# KiCad board panel.kicad_pcb (continued)
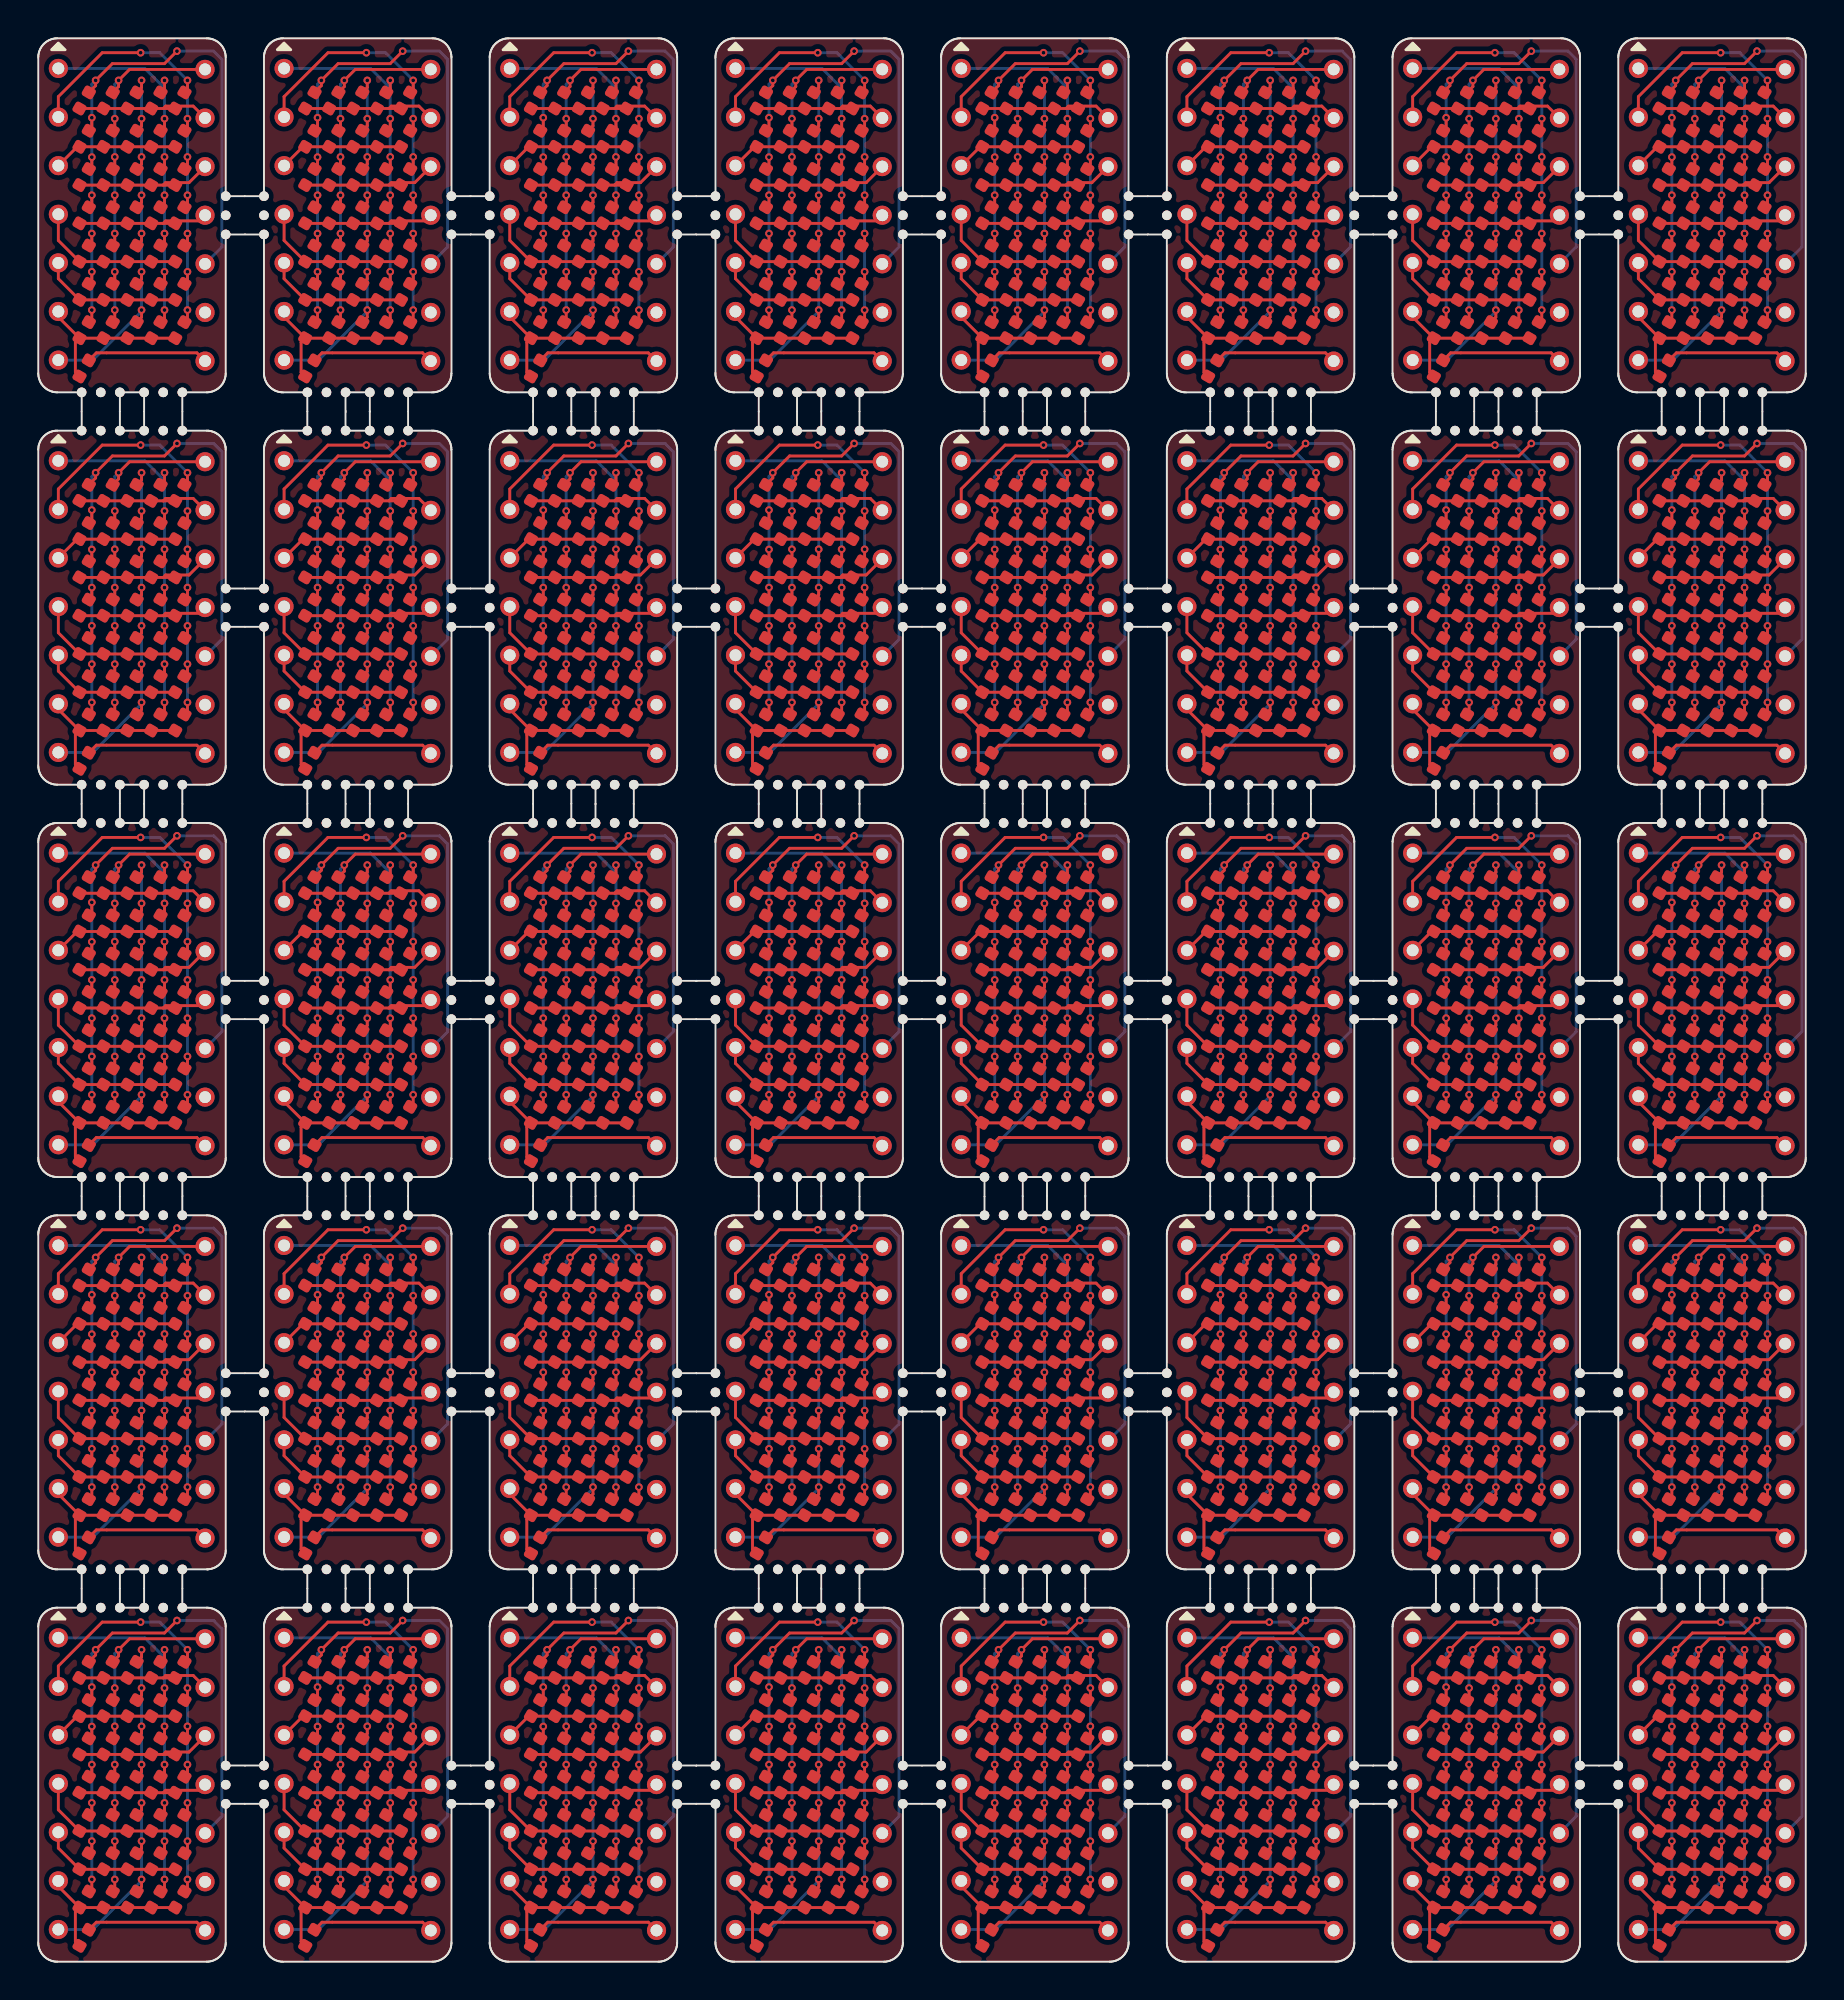
[diagram p0: board, top side]
## Routing (per net, layer and track width the routed paths; a pad name or vN(x,y) marks a point on that pad's centre or on a via; arc(x,y) is an arc through that point) (continued)
Board_32-C2: length 21.6
  Top w0.15: D12#38.2 4,9.78 v1(4,10.3) ; v1(4,4.3) 4,3.78 D15#22.2 ; v1(4,14.3) 4,13.78 D10#2.2 ; v1(4,12.3) 4,11.78 D11#8.2 ; v1(4,6.3) 4,5.78 D14#17.2 ; D9#18.2 4.2,15.98 v1(4.2,16.3) 4.77,16.87 8.72,16.87 J2#17.1 ; D13#12.2 4,7.78 v1(4,8.3)
  Bottom w0.15: v1(4,4.3) v1(4,6.3) v1(4,8.3) v1(4,10.3) v1(4,12.3) v1(4,14.3) 4,16.1 v1(4.2,16.3)
Board_32-C3: length 22.6
  Top w0.15: v1(5.4,16.3) 5.4,15.93 D16#20.2 ; D20#4.2 5.4,7.93 v1(5.4,8.3) ; v1(5.4,14.3) 5.4,13.93 D17#37.2 ; D21#11.2 5.4,5.93 v1(5.4,6.3) ; v1(5.4,10.3) 5.4,9.93 D19#19.2 ; v1(5.4,4.3) 5.4,3.93 D22#15.2 ; D18#28.2 5.4,11.93 v1(5.4,12.3)
  Bottom w0.15: J1#25.7 2.85,1.69 5.4,4.23 v1(5.4,4.3) v1(5.4,6.3) v1(5.4,8.3) v1(5.4,10.3) v1(5.4,12.3) v1(5.4,14.3) v1(5.4,16.3)
Board_32-C4: length 23
  Top w0.15: v1(6.6,4.3) 6.6,3.88 D29#37.2 ; D24#26.2 6.6,13.88 v1(6.6,14.3) ; v1(6.6,8.3) 6.6,7.88 D27#18.2 ; D28#28.2 6.6,5.88 v1(6.6,6.3) ; v1(6.6,10.3) 6.6,9.88 D26#30.2 ; D25#22.2 6.6,11.88 v1(6.6,12.3) ; D23#3.2 6.6,15.88 v1(6.6,16.3)
  Bottom w0.15: 6.6,15.89 5.57,16.92 J1#25.1 ; 6.6,15.89 v1(6.6,16.3) ; 6.6,15.89 v1(6.6,14.3) v1(6.6,12.3) v1(6.6,10.3) v1(6.6,8.3) v1(6.6,6.3) v1(6.6,4.3)
Board_32-C5: length 26.2
  Top w0.15: D36#21.2 7.8,3.83 v1(7.8,4.3) ; v1(5.35,17.75) 3.34,17.75 1.05,15.45 J1#25.2 ; D32#38.2 7.8,11.83 v1(7.8,12.3) ; D30#2.2 7.8,15.83 v1(7.8,16.3) ; D34#5.2 7.8,7.83 v1(7.8,8.3) ; D35#37.2 7.8,5.83 v1(7.8,6.3) ; D33#2.2 7.8,9.83 v1(7.8,10.3) ; v1(7.8,14.3) 7.8,13.83 D31#19.2
  Bottom w0.15: v1(7.8,4.3) v1(7.8,6.3) v1(7.8,8.3) v1(7.8,10.3) v1(7.8,12.3) v1(7.8,14.3) v1(7.8,16.3) 6.36,17.75 v1(5.35,17.75)
Board_32-DP: length 6.4
  Top w0.15: D8#18.2 3.04,2.06 8.29,2.06 J2#17.7
Board_32-R1: length 7.5
  Top w0.15: 6.53,14.83 D23#3.1 D16#20.1 D9#18.1 D1#37.1 ; 6.53,14.83 6.66,14.96 8.1,14.96 J2#17.2 ; 6.53,14.83 D30#2.1
Board_32-R2: length 6.5
  Top w0.15: J1#25.3 2.03,12.83 D2#12.1 D10#2.1 D17#37.1 D24#26.1 D31#19.1
Board_32-R3: length 7.6
  Top w0.15: 6.53,10.83 6.66,10.96 7.88,10.96 J2#17.3 ; 6.53,10.83 D32#38.1 ; 6.53,10.83 D25#22.1 D18#28.1 D11#8.1 D3#30.1
Board_32-R4: length 7.4
  Top w0.15: D4#8.1 D12#38.1 D19#19.1 D26#30.1 6.53,8.83 ; 6.53,8.83 D33#2.1 ; 6.53,8.83 6.66,8.96 8.42,8.96 J2#17.4
Board_32-R5: length 7.9
  Top w0.15: J1#25.4 1.05,7.94 D5#5.1 D13#12.1 D20#4.1 D27#18.1 D34#5.1
Board_32-R6: length 7.4
  Top w0.15: J1#25.5 1.05,5.94 D6#2.1 D14#17.1 D21#11.1 D28#28.1 D35#37.1
Board_32-R7: length 9
  Top w0.15: D36#21.1 D29#37.1 D22#15.1 D15#22.1 D7#28.1 ; J1#25.6 1.05,3.94 D7#28.1 ; D7#28.1 1.94,2.61 1.94,1.05 D8#18.1
Board_33-C1: length 35.5
  Top w0.15: D2#15.2 14.6,13.83 v1(14.6,14.35) ; D7.2 14.6,3.83 v1(14.6,4.3) ; v1(14.6,8.3) 14.6,7.83 D5#39.2 ; D3#34.2 14.6,11.83 v1(14.6,12.29) ; D4.2 14.6,9.83 v1(14.6,10.3) ; D1#3.2 14.8,16.03 v1(14.8,16.3) 15.68,17.18 18.4,17.18 v1(19.05,17.83) ; v1(14.6,6.3) 14.6,5.83 D6#29.2
  Bottom w0.15: v1(19.05,17.83) 20.97,17.83 21.4,17.4 21.4,7.59 J2#12.5 ; v1(14.8,16.3) 14.6,16.1 v1(14.6,14.35) v1(14.6,12.29) v1(14.6,10.3) v1(14.6,8.3) v1(14.6,6.3) v1(14.6,4.3)
Board_33-C2: length 21.6
  Top w0.15: v1(15.8,14.3) 15.8,13.78 D10#29.2 ; v1(15.8,6.3) 15.8,5.78 D14#18.2 ; J2#12.1 20.52,16.87 16.57,16.87 v1(16,16.3) 16,15.98 D9#25.2 ; v1(15.8,12.3) 15.8,11.78 D11#21.2 ; D13#35.2 15.8,7.78 v1(15.8,8.3) ; D12#36.2 15.8,9.78 v1(15.8,10.3) ; D15#25.2 15.8,3.78 v1(15.8,4.3)
  Bottom w0.15: v1(15.8,4.3) v1(15.8,6.3) v1(15.8,8.3) v1(15.8,10.3) v1(15.8,12.3) v1(15.8,14.3) 15.8,16.1 v1(16,16.3)
Board_33-C3: length 22.6
  Top w0.15: D19#2.2 17.2,9.93 v1(17.2,10.3) ; D20#18.2 17.2,7.93 v1(17.2,8.3) ; D21#9.2 17.2,5.93 v1(17.2,6.3) ; v1(17.2,12.3) 17.2,11.93 D18#19.2 ; v1(17.2,16.3) 17.2,15.93 D16#30.2 ; v1(17.2,4.3) 17.2,3.93 D22#17.2 ; v1(17.2,14.3) 17.2,13.93 D17#27.2
  Bottom w0.15: v1(17.2,16.3) v1(17.2,14.3) v1(17.2,12.3) v1(17.2,10.3) v1(17.2,8.3) v1(17.2,6.3) v1(17.2,4.3) 17.2,4.23 14.65,1.69 J1#9.7
Board_33-C4: length 23
  Top w0.15: D24#10.2 18.4,13.88 v1(18.4,14.3) ; D29#8.2 18.4,3.88 v1(18.4,4.3) ; D23#5.2 18.4,15.88 v1(18.4,16.3) ; v1(18.4,6.3) 18.4,5.88 D28#18.2 ; v1(18.4,10.3) 18.4,9.88 D26#19.2 ; v1(18.4,8.3) 18.4,7.88 D27#15.2 ; D25#38.2 18.4,11.88 v1(18.4,12.3)
  Bottom w0.15: J1#9.1 17.37,16.92 18.4,15.89 ; 18.4,15.89 v1(18.4,14.3) v1(18.4,12.3) v1(18.4,10.3) v1(18.4,8.3) v1(18.4,6.3) v1(18.4,4.3) ; 18.4,15.89 v1(18.4,16.3)
Board_33-C5: length 26.2
  Top w0.15: D36#14.2 19.6,3.83 v1(19.6,4.3) ; J1#9.2 12.85,15.45 15.14,17.75 v1(17.15,17.75) ; v1(19.6,16.3) 19.6,15.83 D30#6.2 ; v1(19.6,6.3) 19.6,5.83 D35#23.2 ; D34#11.2 19.6,7.83 v1(19.6,8.3) ; D31#37.2 19.6,13.83 v1(19.6,14.3) ; D32#23.2 19.6,11.83 v1(19.6,12.3) ; v1(19.6,10.3) 19.6,9.83 D33#27.2
  Bottom w0.15: v1(19.6,4.3) v1(19.6,6.3) v1(19.6,8.3) v1(19.6,10.3) v1(19.6,12.3) v1(19.6,14.3) v1(19.6,16.3) 18.16,17.75 v1(17.15,17.75)
Board_33-DP: length 6.4
  Top w0.15: D8#27.2 14.84,2.06 20.09,2.06 J2#12.7
Board_33-R1: length 7.5
  Top w0.15: D1#3.1 D9#25.1 D16#30.1 D23#5.1 18.33,14.83 ; J2#12.2 19.9,14.96 18.46,14.96 18.33,14.83 ; D30#6.1 18.33,14.83
Board_33-R2: length 6.5
  Top w0.15: D31#37.1 D24#10.1 D17#27.1 D10#29.1 D2#15.1 13.84,12.83 J1#9.3
Board_33-R3: length 7.6
  Top w0.15: 18.33,10.83 18.46,10.96 19.68,10.96 J2#12.3 ; 18.33,10.83 D25#38.1 D18#19.1 D11#21.1 D3#34.1 ; 18.33,10.83 D32#23.1
Board_33-R4: length 7.4
  Top w0.15: D4.1 D12#36.1 D19#2.1 D26#19.1 18.33,8.83 ; 18.33,8.83 D33#27.1 ; 18.33,8.83 18.46,8.96 20.22,8.96 J2#12.4
Board_33-R5: length 7.9
  Top w0.15: D34#11.1 D27#15.1 D20#18.1 D13#35.1 D5#39.1 12.85,7.94 J1#9.4
Board_33-R6: length 7.4
  Top w0.15: J1#9.5 12.85,5.94 D6#29.1 D14#18.1 D21#9.1 D28#18.1 D35#23.1
Board_33-R7: length 9
  Top w0.15: D7.1 D15#25.1 D22#17.1 D29#8.1 D36#14.1 ; D7.1 13.74,2.61 13.74,1.05 D8#27.1 ; D7.1 12.85,3.94 J1#9.6
Board_34-C1: length 35.5
  Top w0.15: v1(26.4,4.3) 26.4,3.83 D7#5.2 ; v1(26.4,14.35) 26.4,13.83 D2#31.2 ; v1(26.4,12.29) 26.4,11.83 D3#24.2 ; v1(30.85,17.83) 30.2,17.18 27.48,17.18 v1(26.6,16.3) 26.6,16.03 D1#28.2 ; D5#37.2 26.4,7.83 v1(26.4,8.3) ; D6#20.2 26.4,5.83 v1(26.4,6.3) ; D4#33.2 26.4,9.83 v1(26.4,10.3)
  Bottom w0.15: J2#31.5 33.2,7.59 33.2,17.4 32.77,17.83 v1(30.85,17.83) ; v1(26.4,4.3) v1(26.4,6.3) v1(26.4,8.3) v1(26.4,10.3) v1(26.4,12.29) v1(26.4,14.35) 26.4,16.1 v1(26.6,16.3)
Board_34-C2: length 21.6
  Top w0.15: v1(27.6,12.3) 27.6,11.78 D11#17.2 ; J2#31.1 32.32,16.87 28.37,16.87 v1(27.8,16.3) 27.8,15.98 D9#2.2 ; v1(27.6,4.3) 27.6,3.78 D15#39.2 ; D12#8.2 27.6,9.78 v1(27.6,10.3) ; v1(27.6,8.3) 27.6,7.78 D13#20.2 ; v1(27.6,6.3) 27.6,5.78 D14#7.2 ; v1(27.6,14.3) 27.6,13.78 D10#11.2
  Bottom w0.15: v1(27.8,16.3) 27.6,16.1 v1(27.6,14.3) v1(27.6,12.3) v1(27.6,10.3) v1(27.6,8.3) v1(27.6,6.3) v1(27.6,4.3)
Board_34-C3: length 22.6
  Top w0.15: D17#40.2 29,13.93 v1(29,14.3) ; D20#10.2 29,7.93 v1(29,8.3) ; D18#37.2 29,11.93 v1(29,12.3) ; v1(29,6.3) 29,5.93 D21#31.2 ; D22#7.2 29,3.93 v1(29,4.3) ; v1(29,10.3) 29,9.93 D19#36.2 ; v1(29,16.3) 29,15.93 D16#31.2
  Bottom w0.15: v1(29,16.3) v1(29,14.3) v1(29,12.3) v1(29,10.3) v1(29,8.3) v1(29,6.3) v1(29,4.3) 29,4.23 26.45,1.69 J1#6.7
Board_34-C4: length 23
  Top w0.15: D24#28.2 30.2,13.88 v1(30.2,14.3) ; v1(30.2,12.3) 30.2,11.88 D25#30.2 ; v1(30.2,6.3) 30.2,5.88 D28#14.2 ; v1(30.2,8.3) 30.2,7.88 D27#14.2 ; D29#30.2 30.2,3.88 v1(30.2,4.3) ; v1(30.2,16.3) 30.2,15.88 D23#30.2 ; D26#29.2 30.2,9.88 v1(30.2,10.3)
  Bottom w0.15: J1#6.1 29.17,16.92 30.2,15.89 ; v1(30.2,4.3) v1(30.2,6.3) v1(30.2,8.3) v1(30.2,10.3) v1(30.2,12.3) v1(30.2,14.3) 30.2,15.89 ; 30.2,15.89 v1(30.2,16.3)
Board_34-C5: length 26.2
  Top w0.15: v1(28.95,17.75) 26.95,17.75 24.65,15.45 J1#6.2 ; D34#12.2 31.4,7.83 v1(31.4,8.3) ; v1(31.4,10.3) 31.4,9.83 D33#14.2 ; v1(31.4,4.3) 31.4,3.83 D36#33.2 ; D30#13.2 31.4,15.83 v1(31.4,16.3) ; D32#26.2 31.4,11.83 v1(31.4,12.3) ; D35#15.2 31.4,5.83 v1(31.4,6.3) ; D31#40.2 31.4,13.83 v1(31.4,14.3)
  Bottom w0.15: v1(31.4,4.3) v1(31.4,6.3) v1(31.4,8.3) v1(31.4,10.3) v1(31.4,12.3) v1(31.4,14.3) v1(31.4,16.3) 29.95,17.75 v1(28.95,17.75)
Board_34-DP: length 6.4
  Top w0.15: D8#11.2 26.64,2.06 31.89,2.06 J2#31.7
Board_34-R1: length 7.5
  Top w0.15: D1#28.1 D9#2.1 D16#31.1 D23#30.1 30.13,14.83 ; 30.13,14.83 D30#13.1 ; 30.13,14.83 30.26,14.96 31.7,14.96 J2#31.2
Board_34-R2: length 6.5
  Top w0.15: J1#6.3 25.64,12.83 D2#31.1 D10#11.1 D17#40.1 D24#28.1 D31#40.1
Board_34-R3: length 7.6
  Top w0.15: 30.13,10.83 30.26,10.96 31.48,10.96 J2#31.3 ; 30.13,10.83 D25#30.1 D18#37.1 D11#17.1 D3#24.1 ; 30.13,10.83 D32#26.1
Board_34-R4: length 7.4
  Top w0.15: J2#31.4 32.02,8.96 30.26,8.96 30.13,8.83 ; D4#33.1 D12#8.1 D19#36.1 D26#29.1 30.13,8.83 ; 30.13,8.83 D33#14.1
Board_34-R5: length 7.9
  Top w0.15: J1#6.4 24.65,7.94 D5#37.1 D13#20.1 D20#10.1 D27#14.1 D34#12.1
Board_34-R6: length 7.4
  Top w0.15: D35#15.1 D28#14.1 D21#31.1 D14#7.1 D6#20.1 24.65,5.94 J1#6.5
Board_34-R7: length 9
  Top w0.15: D7#5.1 24.65,3.94 J1#6.6 ; D7#5.1 25.54,2.61 25.54,1.05 D8#11.1 ; D7#5.1 D15#39.1 D22#7.1 D29#30.1 D36#33.1
Board_35-C1: length 35.5
  Top w0.15: D4#31.2 38.2,9.83 v1(38.2,10.3) ; v1(38.2,8.3) 38.2,7.83 D5#9.2 ; D7#4.2 38.2,3.83 v1(38.2,4.3) ; D1#20.2 38.4,16.03 v1(38.4,16.3) 39.28,17.18 42,17.18 v1(42.65,17.83) ; v1(38.2,6.3) 38.2,5.83 D6#18.2 ; D3#35.2 38.2,11.83 v1(38.2,12.29) ; v1(38.2,14.35) 38.2,13.83 D2#11.2
  Bottom w0.15: v1(38.4,16.3) 38.2,16.1 v1(38.2,14.35) v1(38.2,12.29) v1(38.2,10.3) v1(38.2,8.3) v1(38.2,6.3) v1(38.2,4.3) ; v1(42.65,17.83) 44.57,17.83 45,17.4 45,7.59 J2#6.5
Board_35-C2: length 21.6
  Top w0.15: D15#28.2 39.4,3.78 v1(39.4,4.3) ; v1(39.4,10.3) 39.4,9.78 D12#17.2 ; D13#16.2 39.4,7.78 v1(39.4,8.3) ; v1(39.4,14.3) 39.4,13.78 D10#24.2 ; D9#9.2 39.6,15.98 v1(39.6,16.3) 40.17,16.87 44.12,16.87 J2#6.1 ; D14#9.2 39.4,5.78 v1(39.4,6.3) ; v1(39.4,12.3) 39.4,11.78 D11#19.2
  Bottom w0.15: v1(39.6,16.3) 39.4,16.1 v1(39.4,14.3) v1(39.4,12.3) v1(39.4,10.3) v1(39.4,8.3) v1(39.4,6.3) v1(39.4,4.3)
Board_35-C3: length 22.6
  Top w0.15: D18#30.2 40.8,11.93 v1(40.8,12.3) ; v1(40.8,14.3) 40.8,13.93 D17#34.2 ; v1(40.8,6.3) 40.8,5.93 D21#26.2 ; v1(40.8,10.3) 40.8,9.93 D19#13.2 ; D20#19.2 40.8,7.93 v1(40.8,8.3) ; D16#23.2 40.8,15.93 v1(40.8,16.3) ; v1(40.8,4.3) 40.8,3.93 D22#30.2
  Bottom w0.15: v1(40.8,16.3) v1(40.8,14.3) v1(40.8,12.3) v1(40.8,10.3) v1(40.8,8.3) v1(40.8,6.3) v1(40.8,4.3) 40.8,4.23 38.25,1.69 J1#18.7
Board_35-C4: length 23
  Top w0.15: D24#15.2 42,13.88 v1(42,14.3) ; v1(42,4.3) 42,3.88 D29#20.2 ; D25#10.2 42,11.88 v1(42,12.3) ; v1(42,10.3) 42,9.88 D26#13.2 ; v1(42,16.3) 42,15.88 D23#4.2 ; D27#28.2 42,7.88 v1(42,8.3) ; D28#17.2 42,5.88 v1(42,6.3)
  Bottom w0.15: 42,15.89 v1(42,14.3) v1(42,12.3) v1(42,10.3) v1(42,8.3) v1(42,6.3) v1(42,4.3) ; 42,15.89 v1(42,16.3) ; 42,15.89 40.97,16.92 J1#18.1
Board_35-C5: length 26.2
  Top w0.15: v1(43.2,4.3) 43.2,3.83 D36#19.2 ; D31#23.2 43.2,13.83 v1(43.2,14.3) ; D35#21.2 43.2,5.83 v1(43.2,6.3) ; D30#26.2 43.2,15.83 v1(43.2,16.3) ; v1(43.2,10.3) 43.2,9.83 D33.2 ; v1(43.2,12.3) 43.2,11.83 D32#9.2 ; J1#18.2 36.45,15.45 38.74,17.75 v1(40.75,17.75) ; D34#23.2 43.2,7.83 v1(43.2,8.3)
  Bottom w0.15: v1(40.75,17.75) 41.76,17.75 v1(43.2,16.3) v1(43.2,14.3) v1(43.2,12.3) v1(43.2,10.3) v1(43.2,8.3) v1(43.2,6.3) v1(43.2,4.3)
Board_35-DP: length 6.4
  Top w0.15: J2#6.7 43.69,2.06 38.44,2.06 D8#32.2
Board_35-R1: length 7.5
  Top w0.15: 41.93,14.83 42.06,14.96 43.5,14.96 J2#6.2 ; 41.93,14.83 D23#4.1 D16#23.1 D9#9.1 D1#20.1 ; 41.93,14.83 D30#26.1
Board_35-R2: length 6.5
  Top w0.15: J1#18.3 37.44,12.83 D2#11.1 D10#24.1 D17#34.1 D24#15.1 D31#23.1
Board_35-R3: length 7.6
  Top w0.15: J2#6.3 43.28,10.96 42.06,10.96 41.93,10.83 ; D3#35.1 D11#19.1 D18#30.1 D25#10.1 41.93,10.83 ; D32#9.1 41.93,10.83
Board_35-R4: length 7.4
  Top w0.15: D4#31.1 D12#17.1 D19#13.1 D26#13.1 41.93,8.83 ; 41.93,8.83 42.06,8.96 43.82,8.96 J2#6.4 ; 41.93,8.83 D33.1
Board_35-R5: length 7.9
  Top w0.15: J1#18.4 36.45,7.94 D5#9.1 D13#16.1 D20#19.1 D27#28.1 D34#23.1
Board_35-R6: length 7.4
  Top w0.15: D35#21.1 D28#17.1 D21#26.1 D14#9.1 D6#18.1 36.45,5.94 J1#18.5
Board_35-R7: length 9
  Top w0.15: D7#4.1 D15#28.1 D22#30.1 D29#20.1 D36#19.1 ; D7#4.1 36.45,3.94 J1#18.6 ; D7#4.1 37.34,2.61 37.34,1.05 D8#32.1
Board_36-C1: length 35.5
  Top w0.15: v1(50,4.3) 50,3.83 D7#25.2 ; v1(50,14.35) 50,13.83 D2#16.2 ; v1(50,10.3) 50,9.83 D4#2.2 ; v1(54.45,17.83) 53.8,17.18 51.08,17.18 v1(50.2,16.3) 50.2,16.03 D1#34.2 ; v1(50,8.3) 50,7.83 D5#7.2 ; D6#7.2 50,5.83 v1(50,6.3) ; D3#39.2 50,11.83 v1(50,12.29)
  Bottom w0.15: v1(50,4.3) v1(50,6.3) v1(50,8.3) v1(50,10.3) v1(50,12.29) v1(50,14.35) 50,16.1 v1(50.2,16.3) ; v1(54.45,17.83) 56.37,17.83 56.8,17.4 56.8,7.59 J2#11.5
Board_36-C2: length 21.6
  Top w0.15: v1(51.2,6.3) 51.2,5.78 D14#12.2 ; D11#24.2 51.2,11.78 v1(51.2,12.3) ; J2#11.1 55.92,16.87 51.97,16.87 v1(51.4,16.3) 51.4,15.98 D9#34.2 ; D13#7.2 51.2,7.78 v1(51.2,8.3) ; v1(51.2,4.3) 51.2,3.78 D15#29.2 ; v1(51.2,10.3) 51.2,9.78 D12#16.2 ; v1(51.2,14.3) 51.2,13.78 D10#25.2
  Bottom w0.15: v1(51.4,16.3) 51.2,16.1 v1(51.2,14.3) v1(51.2,12.3) v1(51.2,10.3) v1(51.2,8.3) v1(51.2,6.3) v1(51.2,4.3)
Board_36-C3: length 22.6
  Top w0.15: D22#37.2 52.6,3.93 v1(52.6,4.3) ; D18#21.2 52.6,11.93 v1(52.6,12.3) ; v1(52.6,8.3) 52.6,7.93 D20#36.2 ; v1(52.6,10.3) 52.6,9.93 D19#10.2 ; D21#25.2 52.6,5.93 v1(52.6,6.3) ; D16#34.2 52.6,15.93 v1(52.6,16.3) ; v1(52.6,14.3) 52.6,13.93 D17#7.2
  Bottom w0.15: J1#35.7 50.05,1.69 52.6,4.23 v1(52.6,4.3) v1(52.6,6.3) v1(52.6,8.3) v1(52.6,10.3) v1(52.6,12.3) v1(52.6,14.3) v1(52.6,16.3)
Board_36-C4: length 23
  Top w0.15: v1(53.8,12.3) 53.8,11.88 D25#36.2 ; D24.2 53.8,13.88 v1(53.8,14.3) ; D28#7.2 53.8,5.88 v1(53.8,6.3) ; D27#34.2 53.8,7.88 v1(53.8,8.3) ; D26#9.2 53.8,9.88 v1(53.8,10.3) ; v1(53.8,4.3) 53.8,3.88 D29#35.2 ; v1(53.8,16.3) 53.8,15.88 D23#28.2
  Bottom w0.15: J1#35.1 52.77,16.92 53.8,15.89 ; v1(53.8,16.3) 53.8,15.89 ; 53.8,15.89 v1(53.8,14.3) v1(53.8,12.3) v1(53.8,10.3) v1(53.8,8.3) v1(53.8,6.3) v1(53.8,4.3)
Board_36-C5: length 26.2
  Top w0.15: v1(55,14.3) 55,13.83 D31#27.2 ; D36#35.2 55,3.83 v1(55,4.3) ; v1(55,12.3) 55,11.83 D32#35.2 ; J1#35.2 48.25,15.45 50.55,17.75 v1(52.55,17.75) ; D30#20.2 55,15.83 v1(55,16.3) ; D33#16.2 55,9.83 v1(55,10.3) ; v1(55,8.3) 55,7.83 D34#13.2 ; D35#12.2 55,5.83 v1(55,6.3)
  Bottom w0.15: v1(55,4.3) v1(55,6.3) v1(55,8.3) v1(55,10.3) v1(55,12.3) v1(55,14.3) v1(55,16.3) 53.55,17.75 v1(52.55,17.75)
Board_36-DP: length 6.4
  Top w0.15: J2#11.7 55.49,2.06 50.24,2.06 D8#29.2
Board_36-R1: length 7.5
  Top w0.15: D1#34.1 D9#34.1 D16#34.1 D23#28.1 53.73,14.83 ; 53.73,14.83 53.86,14.96 55.3,14.96 J2#11.2 ; 53.73,14.83 D30#20.1
Board_36-R2: length 6.5
  Top w0.15: J1#35.3 49.23,12.83 D2#16.1 D10#25.1 D17#7.1 D24.1 D31#27.1
Board_36-R3: length 7.6
  Top w0.15: J2#11.3 55.08,10.96 53.86,10.96 53.73,10.83 ; D3#39.1 D11#24.1 D18#21.1 D25#36.1 53.73,10.83 ; 53.73,10.83 D32#35.1
Board_36-R4: length 7.4
  Top w0.15: D4#2.1 D12#16.1 D19#10.1 D26#9.1 53.73,8.83 ; 53.73,8.83 53.86,8.96 55.62,8.96 J2#11.4 ; 53.73,8.83 D33#16.1
Board_36-R5: length 7.9
  Top w0.15: J1#35.4 48.25,7.94 D5#7.1 D13#7.1 D20#36.1 D27#34.1 D34#13.1
Board_36-R6: length 7.4
  Top w0.15: J1#35.5 48.25,5.94 D6#7.1 D14#12.1 D21#25.1 D28#7.1 D35#12.1
Board_36-R7: length 9
  Top w0.15: D7#25.1 D15#29.1 D22#37.1 D29#35.1 D36#35.1 ; D7#25.1 49.14,2.61 49.14,1.05 D8#29.1 ; D7#25.1 48.25,3.94 J1#35.6
Board_37-C1: length 35.5
  Top w0.15: v1(61.8,8.3) 61.8,7.83 D5#35.2 ; D4#29.2 61.8,9.83 v1(61.8,10.3) ; v1(61.8,6.3) 61.8,5.83 D6#15.2 ; D1#2.2 62,16.03 v1(62,16.3) 62.88,17.18 65.6,17.18 v1(66.25,17.83) ; v1(61.8,12.29) 61.8,11.83 D3#32.2 ; D2#24.2 61.8,13.83 v1(61.8,14.35) ; D7#37.2 61.8,3.83 v1(61.8,4.3)
  Bottom w0.15: v1(62,16.3) 61.8,16.1 v1(61.8,14.35) v1(61.8,12.29) v1(61.8,10.3) v1(61.8,8.3) v1(61.8,6.3) v1(61.8,4.3) ; J2#25.5 68.6,7.59 68.6,17.4 68.17,17.83 v1(66.25,17.83)
Board_37-C2: length 21.6
  Top w0.15: v1(63,12.3) 63,11.78 D11#5.2 ; D14#21.2 63,5.78 v1(63,6.3) ; J2#25.1 67.72,16.87 63.77,16.87 v1(63.2,16.3) 63.2,15.98 D9#16.2 ; D12#7.2 63,9.78 v1(63,10.3) ; v1(63,14.3) 63,13.78 D10#3.2 ; D15#24.2 63,3.78 v1(63,4.3) ; v1(63,8.3) 63,7.78 D13#28.2
  Bottom w0.15: v1(63.2,16.3) 63,16.1 v1(63,14.3) v1(63,12.3) v1(63,10.3) v1(63,8.3) v1(63,6.3) v1(63,4.3)
Board_37-C3: length 22.6
  Top w0.15: v1(64.4,16.3) 64.4,15.93 D16#13.2 ; D22#35.2 64.4,3.93 v1(64.4,4.3) ; D17#12.2 64.4,13.93 v1(64.4,14.3) ; D18#27.2 64.4,11.93 v1(64.4,12.3) ; v1(64.4,8.3) 64.4,7.93 D20#31.2 ; D21#32.2 64.4,5.93 v1(64.4,6.3) ; v1(64.4,10.3) 64.4,9.93 D19#5.2
  Bottom w0.15: v1(64.4,16.3) v1(64.4,14.3) v1(64.4,12.3) v1(64.4,10.3) v1(64.4,8.3) v1(64.4,6.3) v1(64.4,4.3) 64.4,4.23 61.85,1.69 J1#3.7
Board_37-C4: length 23
  Top w0.15: v1(65.6,14.3) 65.6,13.88 D24#20.2 ; D23#38.2 65.6,15.88 v1(65.6,16.3) ; D25#28.2 65.6,11.88 v1(65.6,12.3) ; D27#24.2 65.6,7.88 v1(65.6,8.3) ; D28#37.2 65.6,5.88 v1(65.6,6.3) ; v1(65.6,10.3) 65.6,9.88 D26#17.2 ; D29#6.2 65.6,3.88 v1(65.6,4.3)
  Bottom w0.15: v1(65.6,4.3) v1(65.6,6.3) v1(65.6,8.3) v1(65.6,10.3) v1(65.6,12.3) v1(65.6,14.3) 65.6,15.89 ; 65.6,15.89 v1(65.6,16.3) ; 65.6,15.89 64.57,16.92 J1#3.1
Board_37-C5: length 26.2
  Top w0.15: D33#36.2 66.8,9.83 v1(66.8,10.3) ; J1#3.2 60.05,15.45 62.35,17.75 v1(64.35,17.75) ; D31#16.2 66.8,13.83 v1(66.8,14.3) ; v1(66.8,12.3) 66.8,11.83 D32#18.2 ; D35#35.2 66.8,5.83 v1(66.8,6.3) ; D34#10.2 66.8,7.83 v1(66.8,8.3) ; D36#13.2 66.8,3.83 v1(66.8,4.3) ; D30#35.2 66.8,15.83 v1(66.8,16.3)
  Bottom w0.15: v1(66.8,4.3) v1(66.8,6.3) v1(66.8,8.3) v1(66.8,10.3) v1(66.8,12.3) v1(66.8,14.3) v1(66.8,16.3) 65.36,17.75 v1(64.35,17.75)
Board_37-DP: length 6.4
  Top w0.15: J2#25.7 67.29,2.06 62.04,2.06 D8#40.2
Board_37-R1: length 7.5
  Top w0.15: 65.53,14.83 D23#38.1 D16#13.1 D9#16.1 D1#2.1 ; 65.53,14.83 D30#35.1 ; 65.53,14.83 65.66,14.96 67.1,14.96 J2#25.2
Board_37-R2: length 6.5
  Top w0.15: J1#3.3 61.04,12.83 D2#24.1 D10#3.1 D17#12.1 D24#20.1 D31#16.1
Board_37-R3: length 7.6
  Top w0.15: 65.53,10.83 65.66,10.96 66.88,10.96 J2#25.3 ; 65.53,10.83 D25#28.1 D18#27.1 D11#5.1 D3#32.1 ; 65.53,10.83 D32#18.1
Board_37-R4: length 7.4
  Top w0.15: 65.53,8.83 D26#17.1 D19#5.1 D12#7.1 D4#29.1 ; 65.53,8.83 65.66,8.96 67.42,8.96 J2#25.4 ; 65.53,8.83 D33#36.1
Board_37-R5: length 7.9
  Top w0.15: D34#10.1 D27#24.1 D20#31.1 D13#28.1 D5#35.1 60.05,7.94 J1#3.4
Board_37-R6: length 7.4
  Top w0.15: D35#35.1 D28#37.1 D21#32.1 D14#21.1 D6#15.1 60.05,5.94 J1#3.5
Board_37-R7: length 9
  Top w0.15: J1#3.6 60.05,3.94 D7#37.1 ; D7#37.1 60.94,2.61 60.94,1.05 D8#40.1 ; D7#37.1 D15#24.1 D22#35.1 D29#6.1 D36#13.1
Board_38-C1: length 35.5
  Top w0.15: v1(73.6,14.35) 73.6,13.83 D2#23.2 ; v1(73.6,4.3) 73.6,3.83 D7#15.2 ; D4#7.2 73.6,9.83 v1(73.6,10.3) ; D6#3.2 73.6,5.83 v1(73.6,6.3) ; D3#4.2 73.6,11.83 v1(73.6,12.29) ; D1#25.2 73.8,16.03 v1(73.8,16.3) 74.68,17.18 77.4,17.18 v1(78.05,17.83) ; v1(73.6,8.3) 73.6,7.83 D5#6.2
  Bottom w0.15: v1(73.8,16.3) 73.6,16.1 v1(73.6,14.35) v1(73.6,12.29) v1(73.6,10.3) v1(73.6,8.3) v1(73.6,6.3) v1(73.6,4.3) ; v1(78.05,17.83) 79.97,17.83 80.4,17.4 80.4,7.59 J2#33.5
Board_38-C2: length 21.6
  Top w0.15: D9#32.2 75,15.98 v1(75,16.3) 75.57,16.87 79.52,16.87 J2#33.1 ; D14#35.2 74.8,5.78 v1(74.8,6.3) ; D10#26.2 74.8,13.78 v1(74.8,14.3) ; D13.2 74.8,7.78 v1(74.8,8.3) ; v1(74.8,10.3) 74.8,9.78 D12#13.2 ; v1(74.8,12.3) 74.8,11.78 D11#28.2 ; v1(74.8,4.3) 74.8,3.78 D15#34.2
  Bottom w0.15: v1(74.8,4.3) v1(74.8,6.3) v1(74.8,8.3) v1(74.8,10.3) v1(74.8,12.3) v1(74.8,14.3) 74.8,16.1 v1(75,16.3)
Board_38-C3: length 22.6
  Top w0.15: v1(76.2,10.3) 76.2,9.93 D19#18.2 ; D21#24.2 76.2,5.93 v1(76.2,6.3) ; v1(76.2,14.3) 76.2,13.93 D17#3.2 ; v1(76.2,8.3) 76.2,7.93 D20#40.2 ; D22#28.2 76.2,3.93 v1(76.2,4.3) ; D18#23.2 76.2,11.93 v1(76.2,12.3) ; D16#22.2 76.2,15.93 v1(76.2,16.3)
  Bottom w0.15: v1(76.2,16.3) v1(76.2,14.3) v1(76.2,12.3) v1(76.2,10.3) v1(76.2,8.3) v1(76.2,6.3) v1(76.2,4.3) 76.2,4.23 73.65,1.69 J1#33.7
Board_38-C4: length 23
  Top w0.15: v1(77.4,8.3) 77.4,7.88 D27#21.2 ; D23#21.2 77.4,15.88 v1(77.4,16.3) ; v1(77.4,14.3) 77.4,13.88 D24#5.2 ; D26#31.2 77.4,9.88 v1(77.4,10.3) ; D29#40.2 77.4,3.88 v1(77.4,4.3) ; D25#8.2 77.4,11.88 v1(77.4,12.3) ; v1(77.4,6.3) 77.4,5.88 D28#33.2
  Bottom w0.15: 77.4,15.89 v1(77.4,14.3) v1(77.4,12.3) v1(77.4,10.3) v1(77.4,8.3) v1(77.4,6.3) v1(77.4,4.3) ; 77.4,15.89 v1(77.4,16.3) ; 77.4,15.89 76.37,16.92 J1#33.1
Board_38-C5: length 26.2
  Top w0.15: D35#22.2 78.6,5.83 v1(78.6,6.3) ; v1(78.6,12.3) 78.6,11.83 D32#6.2 ; J1#33.2 71.85,15.45 74.14,17.75 v1(76.15,17.75) ; v1(78.6,8.3) 78.6,7.83 D34#3.2 ; D33#40.2 78.6,9.83 v1(78.6,10.3) ; v1(78.6,14.3) 78.6,13.83 D31#38.2 ; D36#18.2 78.6,3.83 v1(78.6,4.3) ; D30#24.2 78.6,15.83 v1(78.6,16.3)
  Bottom w0.15: v1(78.6,4.3) v1(78.6,6.3) v1(78.6,8.3) v1(78.6,10.3) v1(78.6,12.3) v1(78.6,14.3) v1(78.6,16.3) 77.16,17.75 v1(76.15,17.75)
Board_38-DP: length 6.4
  Top w0.15: J2#33.7 79.09,2.06 73.84,2.06 D8.2
Board_38-R1: length 7.5
  Top w0.15: D30#24.1 77.33,14.83 ; 77.33,14.83 D23#21.1 D16#22.1 D9#32.1 D1#25.1 ; 77.33,14.83 77.46,14.96 78.9,14.96 J2#33.2
Board_38-R2: length 6.5
  Top w0.15: D31#38.1 D24#5.1 D17#3.1 D10#26.1 D2#23.1 72.83,12.83 J1#33.3
Board_38-R3: length 7.6
  Top w0.15: 77.33,10.83 77.46,10.96 78.68,10.96 J2#33.3 ; 77.33,10.83 D25#8.1 D18#23.1 D11#28.1 D3#4.1 ; 77.33,10.83 D32#6.1
Board_38-R4: length 7.4
  Top w0.15: J2#33.4 79.22,8.96 77.46,8.96 77.33,8.83 ; 77.33,8.83 D26#31.1 D19#18.1 D12#13.1 D4#7.1 ; 77.33,8.83 D33#40.1
Board_38-R5: length 7.9
  Top w0.15: D34#3.1 D27#21.1 D20#40.1 D13.1 D5#6.1 71.85,7.94 J1#33.4
Board_38-R6: length 7.4
  Top w0.15: D35#22.1 D28#33.1 D21#24.1 D14#35.1 D6#3.1 71.85,5.94 J1#33.5
Board_38-R7: length 9
  Top w0.15: J1#33.6 71.85,3.94 D7#15.1 ; D7#15.1 72.74,2.61 72.74,1.05 D8.1 ; D7#15.1 D15#34.1 D22#28.1 D29#40.1 D36#18.1
Board_39-C1: length 35.5
  Top w0.15: v1(85.4,8.3) 85.4,7.83 D5#30.2 ; D3#13.2 85.4,11.83 v1(85.4,12.29) ; v1(85.4,4.3) 85.4,3.83 D7#12.2 ; v1(85.4,6.3) 85.4,5.83 D6#5.2 ; v1(85.4,10.3) 85.4,9.83 D4#18.2 ; v1(85.4,14.35) 85.4,13.83 D2#10.2 ; v1(89.85,17.83) 89.2,17.18 86.48,17.18 v1(85.6,16.3) 85.6,16.03 D1#19.2
  Bottom w0.15: v1(85.4,4.3) v1(85.4,6.3) v1(85.4,8.3) v1(85.4,10.3) v1(85.4,12.29) v1(85.4,14.35) 85.4,16.1 v1(85.6,16.3) ; v1(89.85,17.83) 91.77,17.83 92.2,17.4 92.2,7.59 J2#9.5
Board_39-C2: length 21.6
  Top w0.15: v1(86.6,10.3) 86.6,9.78 D12#26.2 ; v1(86.6,12.3) 86.6,11.78 D11#20.2 ; D10#28.2 86.6,13.78 v1(86.6,14.3) ; D9#35.2 86.8,15.98 v1(86.8,16.3) 87.37,16.87 91.32,16.87 J2#9.1 ; v1(86.6,4.3) 86.6,3.78 D15#6.2 ; D14#28.2 86.6,5.78 v1(86.6,6.3) ; v1(86.6,8.3) 86.6,7.78 D13#38.2
  Bottom w0.15: v1(86.6,4.3) v1(86.6,6.3) v1(86.6,8.3) v1(86.6,10.3) v1(86.6,12.3) v1(86.6,14.3) 86.6,16.1 v1(86.8,16.3)
Board_39-C3: length 22.6
  Top w0.15: D18#32.2 88,11.93 v1(88,12.3) ; v1(88,6.3) 88,5.93 D21#20.2 ; v1(88,10.3) 88,9.93 D19#33.2 ; v1(88,16.3) 88,15.93 D16#5.2 ; D22#16.2 88,3.93 v1(88,4.3) ; D20#25.2 88,7.93 v1(88,8.3) ; D17#21.2 88,13.93 v1(88,14.3)
  Bottom w0.15: v1(88,16.3) v1(88,14.3) v1(88,12.3) v1(88,10.3) v1(88,8.3) v1(88,6.3) v1(88,4.3) 88,4.23 85.45,1.69 J1#26.7
Board_39-C4: length 23
  Top w0.15: D26#20.2 89.2,9.88 v1(89.2,10.3) ; D27#36.2 89.2,7.88 v1(89.2,8.3) ; D29#4.2 89.2,3.88 v1(89.2,4.3) ; v1(89.2,12.3) 89.2,11.88 D25#24.2 ; v1(89.2,14.3) 89.2,13.88 D24#14.2 ; v1(89.2,6.3) 89.2,5.88 D28#27.2 ; D23#29.2 89.2,15.88 v1(89.2,16.3)
  Bottom w0.15: v1(89.2,4.3) v1(89.2,6.3) v1(89.2,8.3) v1(89.2,10.3) v1(89.2,12.3) v1(89.2,14.3) 89.2,15.89 ; v1(89.2,16.3) 89.2,15.89 ; 89.2,15.89 88.17,16.92 J1#26.1
Board_39-C5: length 26.2
  Top w0.15: v1(90.4,14.3) 90.4,13.83 D31#31.2 ; J1#26.2 83.65,15.45 85.95,17.75 v1(87.95,17.75) ; v1(90.4,6.3) 90.4,5.83 D35.2 ; v1(90.4,12.3) 90.4,11.83 D32#24.2 ; v1(90.4,8.3) 90.4,7.83 D34#29.2 ; v1(90.4,4.3) 90.4,3.83 D36#22.2 ; D30#12.2 90.4,15.83 v1(90.4,16.3) ; D33#7.2 90.4,9.83 v1(90.4,10.3)
  Bottom w0.15: v1(87.95,17.75) 88.95,17.75 v1(90.4,16.3) v1(90.4,14.3) v1(90.4,12.3) v1(90.4,10.3) v1(90.4,8.3) v1(90.4,6.3) v1(90.4,4.3)
Board_39-DP: length 6.4
  Top w0.15: J2#9.7 90.89,2.06 85.64,2.06 D8#28.2
Board_39-R1: length 7.5
  Top w0.15: 89.13,14.83 D23#29.1 D16#5.1 D9#35.1 D1#19.1 ; 89.13,14.83 D30#12.1 ; 89.13,14.83 89.26,14.96 90.7,14.96 J2#9.2
Board_39-R2: length 6.5
  Top w0.15: J1#26.3 84.64,12.83 D2#10.1 D10#28.1 D17#21.1 D24#14.1 D31#31.1
Board_39-R3: length 7.6
  Top w0.15: 89.13,10.83 89.26,10.96 90.48,10.96 J2#9.3 ; 89.13,10.83 D25#24.1 D18#32.1 D11#20.1 D3#13.1 ; 89.13,10.83 D32#24.1
Board_39-R4: length 7.4
  Top w0.15: 89.13,8.83 89.26,8.96 91.02,8.96 J2#9.4 ; 89.13,8.83 D26#20.1 D19#33.1 D12#26.1 D4#18.1 ; 89.13,8.83 D33#7.1
Board_39-R5: length 7.9
  Top w0.15: J1#26.4 83.65,7.94 D5#30.1 D13#38.1 D20#25.1 D27#36.1 D34#29.1
Board_39-R6: length 7.4
  Top w0.15: J1#26.5 83.65,5.94 D6#5.1 D14#28.1 D21#20.1 D28#27.1 D35.1
Board_39-R7: length 9
  Top w0.15: D8#28.1 84.54,1.05 84.54,2.61 D7#12.1 ; J1#26.6 83.65,3.94 D7#12.1 ; D7#12.1 D15#6.1 D22#16.1 D29#4.1 D36#22.1

## Copper pours and planes (outline as drawn; the poured copper is in the pictures)
(no net) on Top, Bottom: 47.2,59.5 57,59.5 57,41 47.2,41.03
(no net) on Top, Bottom: 0,80 9.8,80 9.8,61.5 0,61.52
(no net) on Top, Bottom: 35.4,18.5 45.2,18.5 45.2,0 35.4,0.03
(no net) on Top, Bottom: 59,59.5 68.8,59.5 68.8,41 59,41.03
(no net) on Top, Bottom: 70.8,39 80.6,39 80.6,20.5 70.8,20.53
(no net) on Top, Bottom: 70.8,59.5 80.6,59.5 80.6,41 70.8,41.03
(no net) on Top, Bottom: 47.2,39 57,39 57,20.5 47.2,20.53
(no net) on Top, Bottom: 23.6,39 33.4,39 33.4,20.5 23.6,20.53
(no net) on Top, Bottom: 70.8,80 80.6,80 80.6,61.5 70.8,61.52
(no net) on Top, Bottom: 82.6,100.5 92.4,100.5 92.4,82 82.6,82.03
(no net) on Top, Bottom: 82.6,18.5 92.4,18.5 92.4,0 82.6,0.03
(no net) on Top, Bottom: 47.2,80 57,80 57,61.5 47.2,61.52
(no net) on Top, Bottom: 59,18.5 68.8,18.5 68.8,0 59,0.03
(no net) on Top, Bottom: 82.6,80 92.4,80 92.4,61.5 82.6,61.52
(no net) on Top, Bottom: 70.8,100.5 80.6,100.5 80.6,82 70.8,82.03
(no net) on Top, Bottom: 0,59.5 9.8,59.5 9.8,41 0,41.03
(no net) on Top, Bottom: 35.4,80 45.2,80 45.2,61.5 35.4,61.52
(no net) on Top, Bottom: 11.8,80 21.6,80 21.6,61.5 11.8,61.52
(no net) on Top, Bottom: 0,39 9.8,39 9.8,20.5 0,20.53
(no net) on Top, Bottom: 47.2,18.5 57,18.5 57,0 47.2,0.03
(no net) on Top, Bottom: 35.4,39 45.2,39 45.2,20.5 35.4,20.53
(no net) on Top, Bottom: 23.6,59.5 33.4,59.5 33.4,41 23.6,41.03
(no net) on Top, Bottom: 82.6,59.5 92.4,59.5 92.4,41 82.6,41.03
(no net) on Top, Bottom: 35.4,59.5 45.2,59.5 45.2,41 35.4,41.03
(no net) on Top, Bottom: 35.4,100.5 45.2,100.5 45.2,82 35.4,82.03
(no net) on Top, Bottom: 23.6,100.5 33.4,100.5 33.4,82 23.6,82.03
(no net) on Top, Bottom: 82.6,39 92.4,39 92.4,20.5 82.6,20.53
(no net) on Top, Bottom: 47.2,100.5 57,100.5 57,82 47.2,82.03
(no net) on Top, Bottom: 59,39 68.8,39 68.8,20.5 59,20.53
(no net) on Top, Bottom: 59,80 68.8,80 68.8,61.5 59,61.52
(no net) on Top, Bottom: 59,100.5 68.8,100.5 68.8,82 59,82.03
(no net) on Top, Bottom: 11.8,100.5 21.6,100.5 21.6,82 11.8,82.03
(no net) on Top, Bottom: 0,18.5 9.8,18.5 9.8,0 0,0.03
(no net) on Top, Bottom: 11.8,59.5 21.6,59.5 21.6,41 11.8,41.03
(no net) on Top, Bottom: 70.8,18.5 80.6,18.5 80.6,0 70.8,0.03
(no net) on Top, Bottom: 0,100.5 9.8,100.5 9.8,82 0,82.03
(no net) on Top, Bottom: 11.8,18.5 21.6,18.5 21.6,0 11.8,0.03
(no net) on Top, Bottom: 23.6,18.5 33.4,18.5 33.4,0 23.6,0.03
(no net) on Top, Bottom: 23.6,80 33.4,80 33.4,61.5 23.6,61.52
(no net) on Top, Bottom: 11.8,39 21.6,39 21.6,20.5 11.8,20.53

## Text on the board
F.Mask: env
